# KiCad board espiff_v3_1.kicad_pcb (continued)
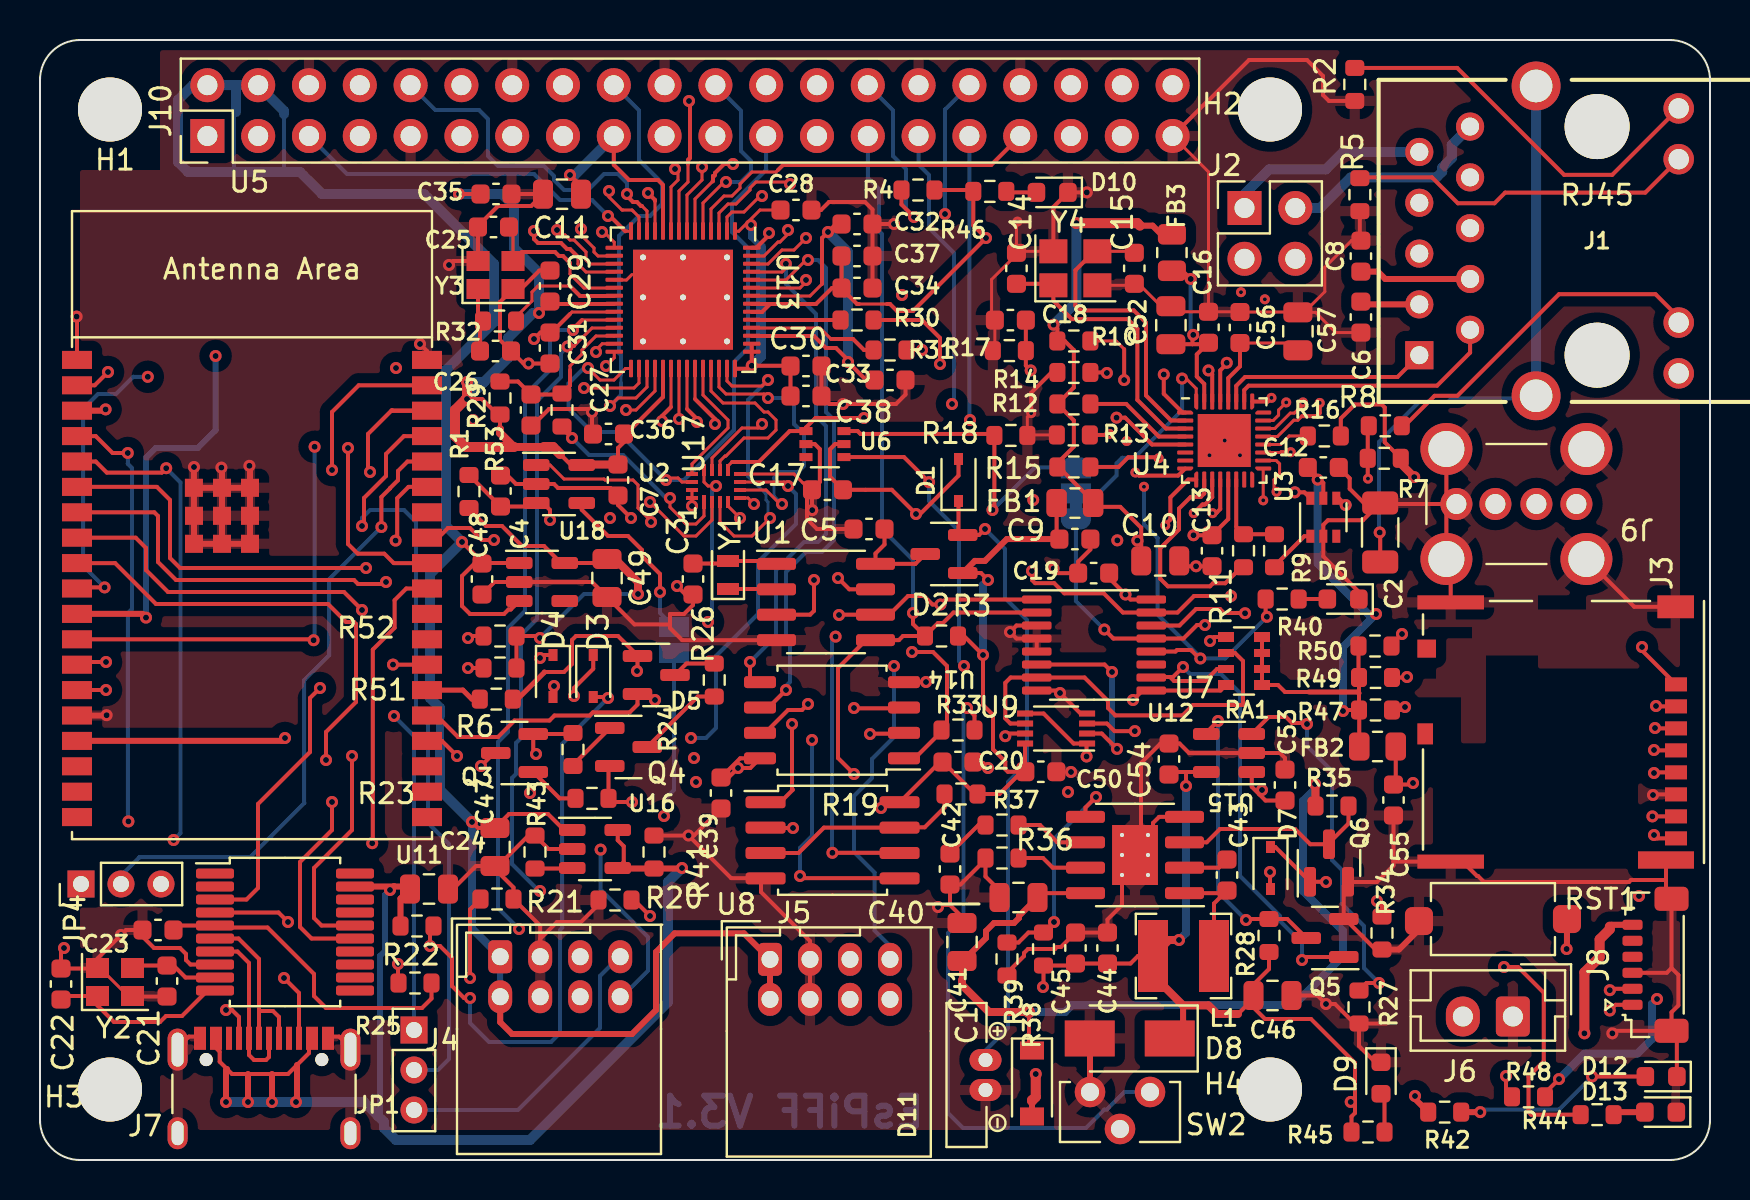
[diagram p0: board, top side]
## Routing (per net, layer and track width the routed paths; a pad name or vN(x,y) marks a point on that pad's centre or on a via; arc(x,y) is an arc through that point) (continued)
  In2.Cu w0.2: J4.6 27.01,8.32 26,9.33 26,11.4 24.65,12.75 10.23,12.75 6.98,16 v1(6.68,16)
  In4.Cu w0.2: J4.6 27.18,8.16 27.99,8.97 27.99,11.26 28.5,11.77 29.67,11.77 36,5.44 44.2,5.44 48.77,10.02 61.6,10.02 62.74,8.87 65.28,8.87 66.17,9.76 71.25,9.76 72.14,8.87 74.93,8.87 75.31,8.49 v1(78.49,8.49)
  Bottom w0.2: v1(6.31,34.59) 7.02,33.88 7.02,16.34 v1(6.68,16)
/TFT_MOSI: length 92.1
  Top w0.2: U5.29 18.31,28.58 17.73,27.99 17.73,26.61 16.64,25.52 16.64,15.87 v1(16.61,15.84) ; v1(78.49,7.47) 78.78,7.76 J8.1
  In2.Cu w0.2: v1(16.61,15.84) 27.57,15.84 27.89,15.52 v1(28.03,15.52)
  In4.Cu w0.2: v1(78.49,7.47) 77.09,7.47 74.93,5.32 70.11,5.32 68.46,6.97 63.76,6.97 61.34,9.38 48.92,9.38 44.4,4.86 31.4,4.86 29.01,7.25 J4.8
  Bottom w0.2: v1(28.03,15.52) 28.03,13.52 30.4,11.15 30.4,9.47 29.09,8.16 J4.8
/TR00: length 10.9
  Bottom w0.5: 71.5,51.67 70.59,50.76 70.59,50.1 70.11,49.61 70.11,49.41 69.83,49.13 65.54,49.13 64,47.6 J2.2
/TR01: length 10.3
  Bottom w0.5: J2.1 60.22,48.3 61.46,49.53 64.29,49.53 65.16,50.4 68.97,50.4
/U0RXD: length 52
  Top w0.2: R25.2 17.9,8.88 v1(17.9,9.8) ; D4.2 25.65,23.65 v1(25.7,23.7)
  In2.Cu w0.2: v1(24.5,18.35) 24.25,18.1 21,18.1 20.7,18.4 15.75,18.4 15.15,19 4.7,19 3.3,17.6 3.3,16.3 2.05,15.05 JP4.1 2.05,12.92 2.67,12.3 10.5,12.3 13,9.8 v1(17.9,9.8)
  In3.Cu w0.2: v1(25.7,23.7) 25.7,19.75 24.5,18.55 v1(24.5,18.35)
/U0TXD: length 28.3
  Top w0.2: v1(26.7,23.2) 26.7,23.6 27.66,24.56 D3.1
  In2.Cu w0.2: v1(17.7,22.2) 19.6,22.2 19.7,22.3 26.4,22.3 26.7,22.6 v1(26.7,23.2)
  Bottom w0.2: JP1.1 18.7,21.2 v1(17.7,22.2)
/U8_PU_3_7: length 10.8
  Top w0.2: R19.2 45.22,17.62 44.23,16.63 43.24,16.63 U8.7 39.2,16.62 37.93,15.35 U8.3
/UHF_MISO: length 61.3
  Top w0.2: U5.4 2.78,36.2 3.63,35.35 v1(4.39,35.35)
  In2.Cu w0.2: v1(4.42,16.93) 5.19,17.7 13,17.7 15.8,14.9 17.2,14.9 17.4,15.1 26.5,15.1 28.31,13.29 37.29,13.29 40.5,10.08 J5.5
  Bottom w0.2: v1(4.42,16.93) 4.39,16.96 4.39,27.34 4.6,27.55 4.6,34.6 4.39,34.81 v1(4.39,35.35)
/UHF_MOSI: length 45.9
  Top w0.2: v1(17.65,24.77) 17.66,24.77 U5.26
  In2.Cu w0.2: v1(42.7,24.7) 42.6,24.7 41.9,25.4 39.25,25.4 39.15,25.5 39,25.5 38.2,26.3 34.25,26.3 33.45,25.5 29.5,25.5 28.4,24.4 25.3,24.4 23.73,22.83 21.37,22.83 19.43,24.77 v1(17.65,24.77)
  Bottom w0.2: v1(42.7,24.7) 42.7,21.15 41.6,20.05 41.6,19.1 40.7,18.2 40.7,15.4 41.73,14.37 41.73,11.47 42.5,10.7 J5.7
/usb_uart/USBc_D+: length 8.6
  Top w0.2: 11.95,6.17 11.95,7.15 11.65,7.45 10.95,7.45 ; U11.6 9.92,11.08 10.95,10.05 10.95,7.45 ; 10.95,7.45 10.95,6.17
/usb_uart/USBc_D-: length 8.7
  Top w0.2: 8.75,10.42 9.88,10.42 10.45,9.85 10.45,5.25 10.7,5 11.3,5 11.45,5.15 11.45,6.17
/~{PHY_Reset}823: length 59.2
  Top w0.15: U2.1 25.5,34.75 26.2,34.05 28.2,34.05 28.25,34 29.65,34 29.9,33.75 29.9,32.6 30.55,31.95 v1(30.55,31.9)
  Top w0.2: U6.6 40.88,36.45 41.03,36.3 47.64,36.3 R18.1 47.72,32.6 v1(47.62,32.5) ; v1(62.74,33.38) 63.22,33.38 U3.6
  In2.Cu w0.2: v1(30.55,31.9) 31.55,30.9 45.4,30.9 47,32.5 v1(47.62,32.5) 47.67,32.45 55.72,32.45 56.39,33.13 60.02,33.13 60.91,34.02 62.23,34.02 62.74,33.51 v1(62.74,33.38)
  Bottom w0.2: JP3.3 49.76,34.63 v1(47.62,32.5)
/~{PHY_Reset}_I2C: length 43.1
  Top w0.2: v1(53.22,26.52) 53.67,26.08 U7.13 57.17,26.08 57.85,26.75 v1(58.25,26.75) ; 68.79,3.16 v1(68.75,3.2)
  Top w0.3: R42.2 68.75,3.06 v1(68.75,3.2)
  In3.Cu w0.2: v1(58.25,26.75) 59.35,26.75 59.7,26.4 59.7,19.7 59.3,19.3 59.3,17.8 59.25,17.75 59.25,17.35 60.65,15.95 60.65,13.9 66.7,7.85 68.5,7.85 69.25,7.1 69.25,3.8 68.75,3.3 v1(68.75,3.2)
  Bottom w0.2: v1(53.22,26.52) 51.79,27.95 JP3.1
/~{SPI_CS0}: length 58.6
  Top w0.2: U9.5 50.18,22.32 51.68,20.82 U9.1 52.33,20.8 v1(52.33,20.17)
  Top w0.3: v1(12.25,21.1) 12.1,20.95 U5.16
  In2.Cu w0.2: v1(32.8,18.9) 38.9,18.9 40.25,20.25 52.25,20.25 v1(52.33,20.17)
  In4.Cu w0.2: v1(32.8,18.9) 28.3,18.9 26.1,21.1 24.45,21.1 23.45,20.1 23.45,19.5 22.85,18.9 18.65,18.9 16.45,21.1 v1(12.25,21.1)
/~{SPI_CS1}: length 42.1
  Top w0.2: 36,17.91 37.03,17.91 37.64,18.51 37.6,18.55 v1(37.6,21.8) ; v1(3.3,23.5) 1.85,23.5 U5.14
  In2.Cu w0.2: v1(3.3,23.5) 4.3,23.5 5.8,22 13,22 13.7,21.3 23.35,21.3 23.85,21.8 v1(37.6,21.8)
/~{SPI_PICO}: length 16.1
  Top w0.2: v1(58.5,25.95) 58.7,26.15 RA1.5 ; v1(53.85,20.56) 53.09,21.32 U9.2 ; v1(53.6,24.4) 53.22,24.77 U7.6
  In2.Cu w0.2: v1(53.6,24.4) 55.35,24.4 56.9,25.95 v1(58.5,25.95)
  Bottom w0.3: v1(53.6,24.4) 53.6,20.81 v1(53.85,20.56)
/~{SPI_SDcard}: length 19.3
  Top w0.2: RA1.6 59.75,25.35 60.15,24.95 60.15,22.75 57.65,22.75 57.13,22.23 53.77,22.23 53.4,22.6 53.4,22.95 52.22,24.12 U7.7 48.53,24.12 48.26,23.86 48.26,22.08 48.52,21.82 U9.6
/~{sw_SPI2ESP32}: length 53.7
  Top w0.15: U17.1 33.2,32.2 32.8,31.8 32.3,31.8 32.2,31.9 32.2,31.94 31.5,32.64 v1(31.5,33.1)
  Top w0.2: 58.05,25.1 57.95,25.1 57.55,25.5 56.85,25.5 56.78,25.42 U7.12 ; v1(26.6,36.1) 26.1,36.6 R53.2 ; R40.2 61.28,27.22 v1(61.34,27.16)
  In2.Cu w0.15: v2(55.2,33.66) 47.26,33.66 46.9,33.3
  In2.Cu w0.2: v1(31.5,33.1) 31.5,32.3 31.9,31.9 32.7,31.9 33.05,31.55 34.25,31.55 34.4,31.4 45,31.4 46.9,33.3
  Bottom w0.2: v1(26.6,36.1) 27.45,35.25 29.15,35.25 31.3,33.1 v1(31.5,33.1) ; 58.05,25.1 55.88,27.27 55.88,31.1 55.2,31.78 v2(55.2,33.66) ; v1(58.02,25.08) 59.26,25.08 v1(61.34,27.16)
/~{USB_Host_PWR}: length 25.1
  Top w0.2: Q5.1 63.25,10.15 v1(63.1,10) ; v1(57.15,24.65) 56.65,24.15 56.5,24.15 ; 56.5,24.15 56.7,23.95 58.25,23.95 58.85,24.55 RA1.7 ; 56.5,24.15 55.59,24.15 U7.10
  Bottom w0.2: v1(63.1,10) 63.1,10.85 62,11.95 62,12.2 60,14.2 60,23.35 59.05,24.3 57.5,24.3 v1(57.15,24.65)
Net-(C1-Pad1): length 31.3
  Top w0.2: v1(47.25,31.55) 46.95,31.25 D2.2 45.92,31.46 D1.1
  Bottom w0.2: v1(47.25,31.55) 48.25,30.55 48.25,28.1 49.35,27 49.35,19.85 48.4,18.9 48.4,6.6 47.28,5.47 C1.1
Net-(C2-Pad1): length 30.1
  Top w0.2: v1(66.98,31.38) 67.01,31.35 C2.1
  Bottom w0.2: 74.65,38.08 70.58,38.08 70.4,37.9 68.95,37.9 66.95,35.9 66.95,31.41 v1(66.98,31.38)
  Bottom w0.5: 74.81,53.7 J1.GND
Net-(C3-Pad2): length 4.3
  Top w0.2: U1.1 36.68,29.95 Y1.2 34.28,29.83 C3.2
Net-(C6-Pad1): length 3
  Top w0.3: C6.1 66.18,42.78 68.97,42.78
Net-(C8-Pad1): length 5.6
  Top w0.3: C8.1 66.9,44.42 67.26,44.05 71.5,44.05
Net-(C14-Pad2): length 14
  Top w0.2: C14.2 50.59,43.81 Y4.1 50.67,42.97 51.59,42.04 54.39,42.04 54.87,41.56 54.87,38.01 56.3,36.57 U4.3
Net-(C15-Pad2): length 15.1
  Top w0.15: Y4.3 54.64,45.43 C15.2
  Top w0.2: U4.2 56.55,36.97 55.3,38.23 55.3,41.87 54.69,42.48 52.02,42.48 51.77,42.73 51.77,44.48 52.72,45.43 Y4.3
Net-(C16-Pad1): length 9.7
  Top w0.2: v1(57.66,41.26) 57.62,41.22 57.62,40.79 ; v1(57.53,44.05) 57.13,44.46 FB3.1 ; C52.1 57.62,40.79 ; 57.62,40.79 58.35,40.79 C16.1 57.84,40.28 57.84,39.17 58.21,38.8 U4.31
  Bottom w0.2: v1(57.53,44.05) 57.53,41.38 v1(57.66,41.26)
Net-(C18-Pad1): length 21.5
  Top w0.15: U4.32 57.81,38.57 57.31,39.07 v1(57.1,39.07)
  Top w0.2: v1(49.53,39.48) 49.29,39.72 R17.1 C18.1
  In4.Cu w0.2: v1(49.53,39.48) 50.04,39.99 56.52,39.99 57.1,39.4 v1(57.1,39.07)
  Bottom w0.2: v1(57.1,39.07) 57.1,37.5 54.72,35.11 54.11,35.11 53.83,34.83 53.83,34.23 52.93,33.33 JP3.2
Net-(C21-Pad2): length 4.4
  Top w0.2: U11.9 7.27,9.12 6.67,9.72 4.75,9.72 Y2.3
Net-(C22-Pad2): length 9.2
  Top w0.2: C22.2 1.23,8.2 Y2.1 2.88,7.72 3.7,6.9 6,6.9 6.3,7.2 7.1,7.2 8.38,8.47 U11.10
Net-(C23-Pad1): length 16.4
  Top w0.2: C23.1 6.9,11.72 8.75,11.72 8.75,11.65 8.78,11.62 11.38,11.62 13.7,9.3 13.7,8.2 14.3,7.6 19.1,7.6 19.58,8.08 R25.1
Net-(C25-Pad2): length 8.1
  Top w0.15: Y3.3 23.65,46.45 C25.2 ; 28.71,43.6 27.2,43.6 26.5,44.3 26.5,44.7
  Top w0.2: Y3.3 24.1,45.4 25.75,45.4 25.95,45.2 26.15,45.2 26.5,44.85 26.5,44.7
Net-(C26-Pad2): length 3.3
  Top w0.2: Y3.1 21.9,42.2 R32.1 22,41.8 C26.2
Net-(C27-Pad2): length 7.9
  Top w0.15: U13.26 28.7,41.2 27.8,41.2 27.1,40.5 27.1,40.3 26.5,39.7 26.5,39.5
  Top w0.2: 23,38.92 23.9,38.92 C27.2 26.05,38.27 R53.1 26.5,38.73 26.5,39.5
Net-(C42-Pad1): length 2.4
  Top w0.2: C42.1 46.92,16.75 47.28,16.75
Net-(C43-Pad1): length 2.3
  Top w0.2: C43.1 58.94,14.61 U15.2
Net-(C43-Pad2): length 5.7
  Top w0.2: L1.1 58.7,12.83 C43.2 59.22,13.34 U15.1
Net-(C53-Pad1): length 38.5
  Top w0.2: v1(61.1,18.5) 61.1,18.4 60.97,18.27 ; 60.97,18.27 60.59,18.66 U12.1 ; 60.97,18.27 61.28,17.98 C53.1
  In3.Cu w0.4: v1(61.1,18.5) 61.9,17.7 72.5,17.7
  In3.Cu w0.5: J9.1 79.75,32.8 80.55,32 80.55,28.4 78.7,26.55 78.7,20.3 76.1,17.7 72.5,17.7
Net-(C55-Pad1): length 16.8
  Top w0.2: J3.4 80.72,20.48 v1(80.7,20.5) ; v1(68.65,18.85) 68.58,18.77 C55.1 67.79,18.89 FB2.2
  In2.Cu w0.4: v1(68.65,18.85) 70.3,20.5 v1(80.7,20.5)
Net-(C56-Pad1): length 6.2
  Top w0.15: C56.1 62.53,40.85 C57.1
  Top w0.2: U4.28 59.41,39.09 60,39.68 C56.1
Net-(D3-Pad2): length 41.2
  Top w0.2: v1(28.4,23.1) 28.35,23.15 D3.2 ; U11.4 11.92,12.38 v1(12.4,11.9) ; R22.2 19.5,11.53 v1(19.5,10.7) 20,10.7 20.6,10.1 20.6,8.7 21.2,8.1 v1(21.5,8.1)
  In2.Cu w0.2: v1(19.5,10.7) 13.6,10.7 v1(12.4,11.9)
  Bottom w0.2: v1(21.5,8.1) 21.5,6.85 22.45,5.9 25.55,5.9 26,6.35 26,11.5 26.11,11.61 26.11,20.81 v1(28.4,23.1)
Net-(D4-Pad1): length 26.2
  Top w0.2: U11.3 10.33,13.03 10.9,13.6 10.9,17.8 13.5,20.4 13.5,23.1 v1(14,23.6) ; v1(25,25.1) 25.15,25.25 D4.1
  In4.Cu w0.2: v1(25,25.1) 25,24.8 23.8,23.6 v1(14,23.6)
Net-(D5-Pad3): length 2.2
  Top w0.2: R26.2 32.33,24.83 D5.3
Net-(D6-Pad2): length 1.4
  Top w0.2: D6.2 R40.1
Net-(D7-Pad1): length 7.3
  Top w0.2: D7.1 61.76,15.65 Q6.1 64.29,13.91 v1(64.3,13.9) ; v1(66.85,12.95) 67.1,12.7 R34.1
  In2.Cu w0.2: v1(64.3,13.9) 65.9,13.9 v1(66.85,12.95)
Net-(D9-Pad2): length 2
  Top w0.2: 67.22,1.4 67.22,3.14 D9.2
Net-(D10-Pad2): length 1.5
  Top w0.2: R46.2 48.36,48.38 D10.2
Net-(D11-Pad2): length 24.8
  Top w0.3: 49.6,2.97 D11.2
  Top w0.5: 49.6,3 49.6,2.97 49.79,3.15 v1(49.79,4.3)
  In2.Cu w0.5: J6.2 65.28,7.17 64.3,6.2 51.69,6.2 v1(49.79,4.3)
Net-(D12-Pad2): length 9.9
  Top w0.2: D12.2 v1(77.6,4.17)
  Top w0.3: v1(72.01,2.39) R42.1
  Bottom w0.2: v1(72.01,2.39) 72.14,2.52 75.95,2.52 v1(77.6,4.17)
Net-(D13-Pad2): length 1.6
  Top w0.3: D13.2 78.81,2.39 R44.1
Net-(J1-Pad12): length 17.3
  Top w0.2: J1.12 81.94,42.13 80.78,43.29 75.95,43.29 70.87,38.21 69.73,38.21 68.23,36.71 R8.1
Net-(J1-Pad14): length 19.8
  Top w0.2: 81.94,52.58 78.61,49.26 76.2,49.26 70.86,54.6 R2.1
Net-(J3-Pad1): length 17.3
  Top w0.2: v1(80.1,25.65) 80.1,25.48 J3.1 ; v1(68.1,26.3) 67.58,25.77 R50.2
  In2.Cu w0.2: v1(80.1,25.65) 80.1,26.95 79.7,27.35 69.15,27.35 v1(68.1,26.3)
Net-(J3-Pad2): length 32.1
  Top w0.2: v1(54.74,21.45) 53.72,21.45 53.35,21.82 U9.3 ; v1(80.8,22.7) 80.82,22.68 J3.2 ; v1(68.35,24.15) 68.33,24.12 R49.2
  In2.Cu w0.2: v1(54.74,21.45) 56.14,21.45 58.84,24.15 v1(68.35,24.15) 79.35,24.15 v1(80.8,22.7)
Net-(J3-Pad8): length 20.4
  Top w0.2: R48.2 73.3,3.46 v1(73.3,4.2) ; v1(80.7,16.25) 80.87,16.08 J3.8
  In2.Cu w0.2: v1(80.7,16.25) 79.95,15.5 v1(79.95,13.2)
  In3.Cu w0.2: v1(79.95,13.2) 79.95,11.65 80.4,11.2 80.4,10.15 79.8,9.55 79.8,6.25 78.61,5.06 74.16,5.06 v1(73.3,4.2)
Net-(J7-PadA5): length 30.5
  Top w0.2: R20.1 29.7,13 v1(30.5,12.2) ; 9.95,6.17 9.95,7.15 9.6,7.5 v1(9.3,7.5)
  In2.Cu w0.2: v1(30.5,12.2) 30.6,12.1 30.6,7.4 29.5,6.3 22.1,6.3 20.5,7.9 17.6,7.9 17.2,7.5 v1(9.3,7.5)
Net-(J7-PadB5): length 16.7
  Top w0.2: v1(21.5,9.1) 21.5,12.53 R21.1 ; 12.95,6.17 12.95,8.35 v1(12.2,9.1)
  In2.Cu w0.2: v1(12.2,9.1) v1(21.5,9.1)
Net-(J9-Pad2): length 36.4
  Top w0.2: v1(44.1,40.5) R31.1
  In4.Cu w0.2: v1(44.1,40.5) 45.7,40.5 47.86,38.34 60.63,38.34 61.07,38.77 62.08,38.77 62.39,38.46 65.16,38.46
  In4.Cu w0.25: 65.16,38.46 71.5,38.46 72.9,37.07 72.9,34.72 J9.2
Net-(J9-Pad3): length 38.1
  Top w0.2: v1(45,39.8) 45,41.1 44.1,42 R30.1
  In4.Cu w0.2: v1(45,39.8) 46.92,37.88 60.28,37.88 60.84,37.32 64.39,37.32 64.9,37.83
  In4.Cu w0.25: 64.9,37.83 71.25,37.83 72.27,36.81 72.27,33.89 72.77,33.39 J9.3
Net-(JP1-Pad2): length 39.5
  Top w0.2: v1(16.1,31.7) 16.2,31.8 16.2,33.1 17.3,34.2 17.3,35.3 18.2,36.2 U5.35
  Bottom w0.2: JP1.2 19.9,4.5 20.45,5.05 20.45,15.8 19.4,16.85 19.4,21.8 18.8,22.4 18.8,31.9 18.2,32.5 16.5,32.5 16.1,32.1 v1(16.1,31.7)
Net-(JP2-Pad1): length 8.7
  Top w0.2: v1(31,28.4) 31,29.3 30.1,30.2 30.1,30.5 29.4,31.2 28.4,31.2 27.09,32.51 U2.4
  Bottom w0.2: v1(31,28.4) 31,27.35 JP2.1
Net-(JP4-Pad2): length 31.3
  Top w0.2: v1(17.07,31.65) 17.07,33.15 17.5,33.58 17.5,33.59 17.9,33.99 17.9,34.45 18.38,34.92 U5.34
  Bottom w0.2: v1(17.07,31.65) 14.46,29.04 14.46,25.24 13.21,23.99 13.21,17.84 10.51,15.14 4.97,15.14 4.05,14.22 JP4.2
Net-(Q3-Pad1): length 2.7
  Top w0.2: R23.2 25.98,18.08 Q3.1
Net-(Q3-Pad2): length 24.4
  Top w0.2: 15.75,11.72 14.08,11.72 13.7,12.1 13.7,14.6 15.6,16.5 v1(15.6,20.2) ; R24.1 26.6,21.3 Q3.2 24.66,20.44 v1(24.8,20.3)
  In2.Cu w0.2: v1(15.6,20.2) 16.15,20.2 16.9,19.45 21.05,19.45 21.5,19 23.2,19 24.5,20.3 v1(24.8,20.3)
Net-(Q4-Pad1): length 2.7
  Top w0.2: Q4.1 28.49,21.59 26.65,19.75 R24.2
Net-(Q4-Pad2): length 28.3
  Top w0.2: Q4.2 28.42,19.64 28.42,18.08 28.6,17.9 v1(29.6,17.9) ; U11.15 13.58,11.08 13,11.65 13,14.9 14.6,16.5 v1(14.6,17.9)
  In2.Cu w0.2: v1(29.6,17.9) 29.55,17.9 28.9,17.25 22.6,17.25 22.2,17.65 20.85,17.65 20.6,17.9 v1(14.6,17.9)
Net-(Q4-Pad3): length 4.4
  Top w0.2: R26.1 32.89,23.17 Q4.3
Net-(Q5-Pad3): length 14.8
  Top w0.2: v1(58.9,21.95) 58.31,21.36 U12.4 ; v1(60.3,12) 60.35,12.05 R28.2 62.36,12.05 Q5.3
  Bottom w0.2: v1(60.3,12) 58.9,13.4 v1(58.9,21.95)
Net-(R6-Pad2): length 2.8
  Top w0.25: R6.2 21.59,23.05 21.14,23.49 U5.25
Net-(R11-Pad1): length 4.4
  Top w0.2: R9.1 R11.1 59.81,31.65 U4.14
Net-(R11-Pad2): length 10.9
  Top w0.2: U4.10 58.21,33.32 58.04,33.15 57.53,33.15 56.95,32.57 56.95,31.53 56.01,30.59 56.01,29.06 56.39,28.68 58.5,28.68 58.65,28.84 59.26,28.84 60.06,29.64 R11.2
Net-(R12-Pad2): length 5.4
  Top w0.2: U4.4 55.94,36.17 54.31,37.8 R12.2
Net-(R13-Pad1): length 12.1
  Top w0.2: v2(61.57,38.11) 61.39,37.92 U4.25 ; v2(53.47,36.3) 53.42,36.25 R13.1
  In2.Cu w0.2: v2(53.47,36.3) 53.04,36.74 53.04,37.4 53.47,37.83 61.29,37.83 v2(61.57,38.11)
Net-(R14-Pad1): length 6.8
  Top w0.2: v1(53.34,39.35) 53.32,39.38 R14.1 ; v1(56.19,39.28) 56.19,38.31 57.13,37.37 U4.1
  In2.Cu w0.2: v1(53.34,39.35) 53.34,39.61 53.67,39.94 55.53,39.94 v1(56.19,39.28)
Net-(R15-Pad2): length 17.9
  Top w0.15: 63.1,37.19 62.89,36.99 62.69,36.99 61.88,36.17 U4.21
  Top w0.2: R15.2 53.93,34.65 54.41,35.14 55.88,35.14 v2(55.93,35.08) ; 63.1,37.19 63.83,37.19 63.99,37.35 v2(63.99,37.85)
  In2.Cu w0.2: v2(63.99,37.85) 63.99,37.37 62.79,36.18 62.16,36.18 62.11,36.23 61.73,36.23 60.81,35.31 60.81,34.78 60.41,34.37 56.65,34.37 v2(55.93,35.08)
Net-(R16-Pad2): length 2.4
  Top w0.15: R16.2 62.46,36.2 62.03,35.77 U4.20
Net-(R27-Pad1): length 18.9
  Top w0.2: U12.3 61.44,22.15 62.3,22.15 62.6,21.85 63.3,21.85 v1(63.35,21.8) ; v1(66.95,8.85) 66.33,8.85 R27.1
  Bottom w0.2: v1(66.95,8.85) 66.2,9.6 66.2,11.7 65.1,12.8 65.1,14.5 64.6,15 64.6,19.45 63.35,20.7 v1(63.35,21.8)
Net-(R30-Pad2): length 4.4
  Top w0.2: 35.59,42 R30.2
Net-(R31-Pad2): length 6.5
  Top w0.15: 39.55,41.05 39,41.6 35.59,41.6
  Top w0.2: 39.55,41.05 40.65,41.05 41.2,40.5 R31.2
Net-(R32-Pad2): length 6.4
  Top w0.15: 26.5,43.7 24.9,43.7 24.6,43.4 24.6,42.95 23.8,42.15 R32.2
  Top w0.2: 23.8,42.1 R32.2 ; 26.5,43.7 27,43.2 28.71,43.2
Net-(R36-Pad1): length 3.6
  Top w0.2: U15.7 50.64,14.61 50.15,15.1 R36.1
Net-(R37-Pad1): length 3.7
  Top w0.2: R37.1 50,16.75 50.86,15.89 U15.6
Net-(R38-Pad2): length 11.1
  Top w0.2: R39.1 48.92,10.88 49.42,11.38 R38.2 v1(50.7,11.9) ; U15.5 52.28,17.62 v1(52.8,18.15)
  Bottom w0.2: v1(52.8,18.15) 50.7,16.05 v1(50.7,11.9)
Net-(R43-Pad1): length 1.9
  Top w0.2: U16.3 26.59,14.58 R43.1
Net-(R44-Pad2): length 44.2
  Top w0.2: v1(73.2,9.65) 73.9,9.65 75.19,8.36 75.19,4.94 74.43,4.17 74.43,2.39 74.55,2.27 R44.2 ; v1(60.25,27.34) 60.24,27.35 59.2,27.35 59,27.55 57.8,27.55 56.97,26.73 U7.14
  In3.Cu w0.2: v1(60.25,27.34) 60.35,27.24 60.35,19.35 59.95,18.95 59.95,18.35 62.1,16.2 62.1,13.5 65.85,9.75 73.1,9.75 v1(73.2,9.65)
Net-(U1-Pad2): length 2.4
  Top w0.2: U1.2 36.81,28.55 Y1.1
Net-(U13-Pad38): length 6.5
  Top w0.15: U17.13 32.6,34.8 34.4,36.6 34.4,37 33.15,38.25 U13.38
Net-(U13-Pad39): length 9.4
  Top w0.15: 33.55,39.56 33.55,38.45 34.15,37.85 35.75,37.85 36.2,37.4 36.4,37.4 36.8,37 36.8,36.5 36.4,36.1 35.2,36.1 34.3,35.2 34.25,35.2 34,34.95 U17.10
Net-(U13-Pad40): length 13.9
  Top w0.15: v1(37.1,32.8) 37,32.8 36.3,33.5 U17.6 ; v1(36.4,38.1) 36.2,38.3 34.3,38.3 33.95,38.65 33.95,39.56
  Bottom w0.15: 36.7,34.1 36.7,33.2 v1(37.1,32.8)
  Bottom w0.2: v1(36.4,38.1) 37.4,38.1 37.7,37.8 37.7,36.8 38.2,36.3 38.2,34.7 37.9,34.4 37,34.4 36.7,34.1
Net-(U13-Pad41): length 14.8
  Top w0.15: v1(36.5,32.1) 35.6,31.2 34.7,31.2 34,31.9 U17.3 ; U13.41 34.35,38.95 34.6,38.7 36.1,38.7 v1(36.4,39)
  Bottom w0.15: v1(36.5,32.1) 36.4,32.2 36.4,32.9 36.3,33 36.3,33.3 35.5,34.1
  Bottom w0.2: v1(36.4,39) 35.4,38 35.4,34.2 35.5,34.1
Net-(U13-Pad51): length 30
  Top w0.15: 35.59,43.6 38,43.6 38.4,44 v1(38.3,44)
  Top w0.2: 36.22,21.31 37.4,22.5 38.1,22.5 v1(38.4,22.8)
  In3.Cu w0.2: v1(38.4,22.8) 40.9,25.3 40.9,33.5 41.9,34.5 41.9,40.4 v1(38.3,44)
Net-(U13-Pad53): length 25.9
  Top w0.15: 35.59,44.4 37.1,44.4 37.3,44.6 37.3,44.8 v1(37.29,44.81)
  Top w0.2: 35.75,23.85 35.5,24.1 v1(35.5,24.9)
  Bottom w0.2: v1(35.5,24.9) 36.8,26.2 36.8,29.5 38.2,30.9 38.9,30.9 39.3,31.3 39.3,36.7 38.8,37.2 38.8,42.3 37.29,43.81 v1(37.29,44.81)
Net-(U13-Pad54): length 31.8
  Top w0.15: v1(38.3,46.1) 37.7,45.5 37.1,45.5 36.4,44.8 35.59,44.8
  Top w0.2: 42.95,22.59 40.72,22.59 v1(40.7,22.6)
  In3.Cu w0.2: v1(40.7,22.6) 41.5,23.4 41.5,33.4 42.5,34.4 42.5,41.2 39.7,44 39.7,45.3 39.5,45.5 39,45.5 38.4,46.1 v1(38.3,46.1)
Net-(U13-Pad55): length 34.8
  Top w0.15: 35.59,45.2 36.2,45.2 36.9,45.9 37,45.9 37.4,46.3 v1(37.4,46.5)
  Top w0.2: v1(41.5,21.3) 41.52,21.31 42.95,21.31
  In3.Cu w0.2: v1(41.5,21.3) 42,21.8 42,31.4 42.2,31.6 42.2,33.3 43.2,34.3 43.2,41.3 40.8,43.7 40.8,46.3 39.8,47.3 38.2,47.3 v1(37.4,46.5)

## Copper pours and planes (outline as drawn; the poured copper is in the pictures)
GND on Top: 80,47.5 82,47.5 82,1.5 6,1.5 6,6.5 2,6.5 2,49.5 6,49.5 6,55.5 80,55.5
GND on Bottom: 80,47.5 82,47.5 82,1.5 6,1.5 6,6.5 2,6.5 2,49.5 6,49.5 6,55.5 80,55.5
GND on In1.Cu: 80,47.5 82,47.5 82,1.5 6,1.5 6,6.5 2,6.5 2,49.5 6,49.5 6,55.5 80,55.5
GND on In2.Cu: 80,47.5 82,47.5 82,1.5 6,1.5 6,6.5 2,6.5 2,49.5 6,49.5 6,55.5 80,55.5
GND on In3.Cu: 80,47.5 82,47.5 82,1.5 6,1.5 6,6.5 2,6.5 2,49.5 6,49.5 6,55.5 80,55.5
GND on In4.Cu: 80,47.5 82,47.5 82,1.5 6,1.5 6,6.5 2,6.5 2,49.5 6,49.5 6,55.5 80,55.5

## Text on the board
Bottom: EsPiFF V3.1
